# Altium PCB PCB-Relay-Board-V1.PcbDoc (part 4 of 5) (continued)
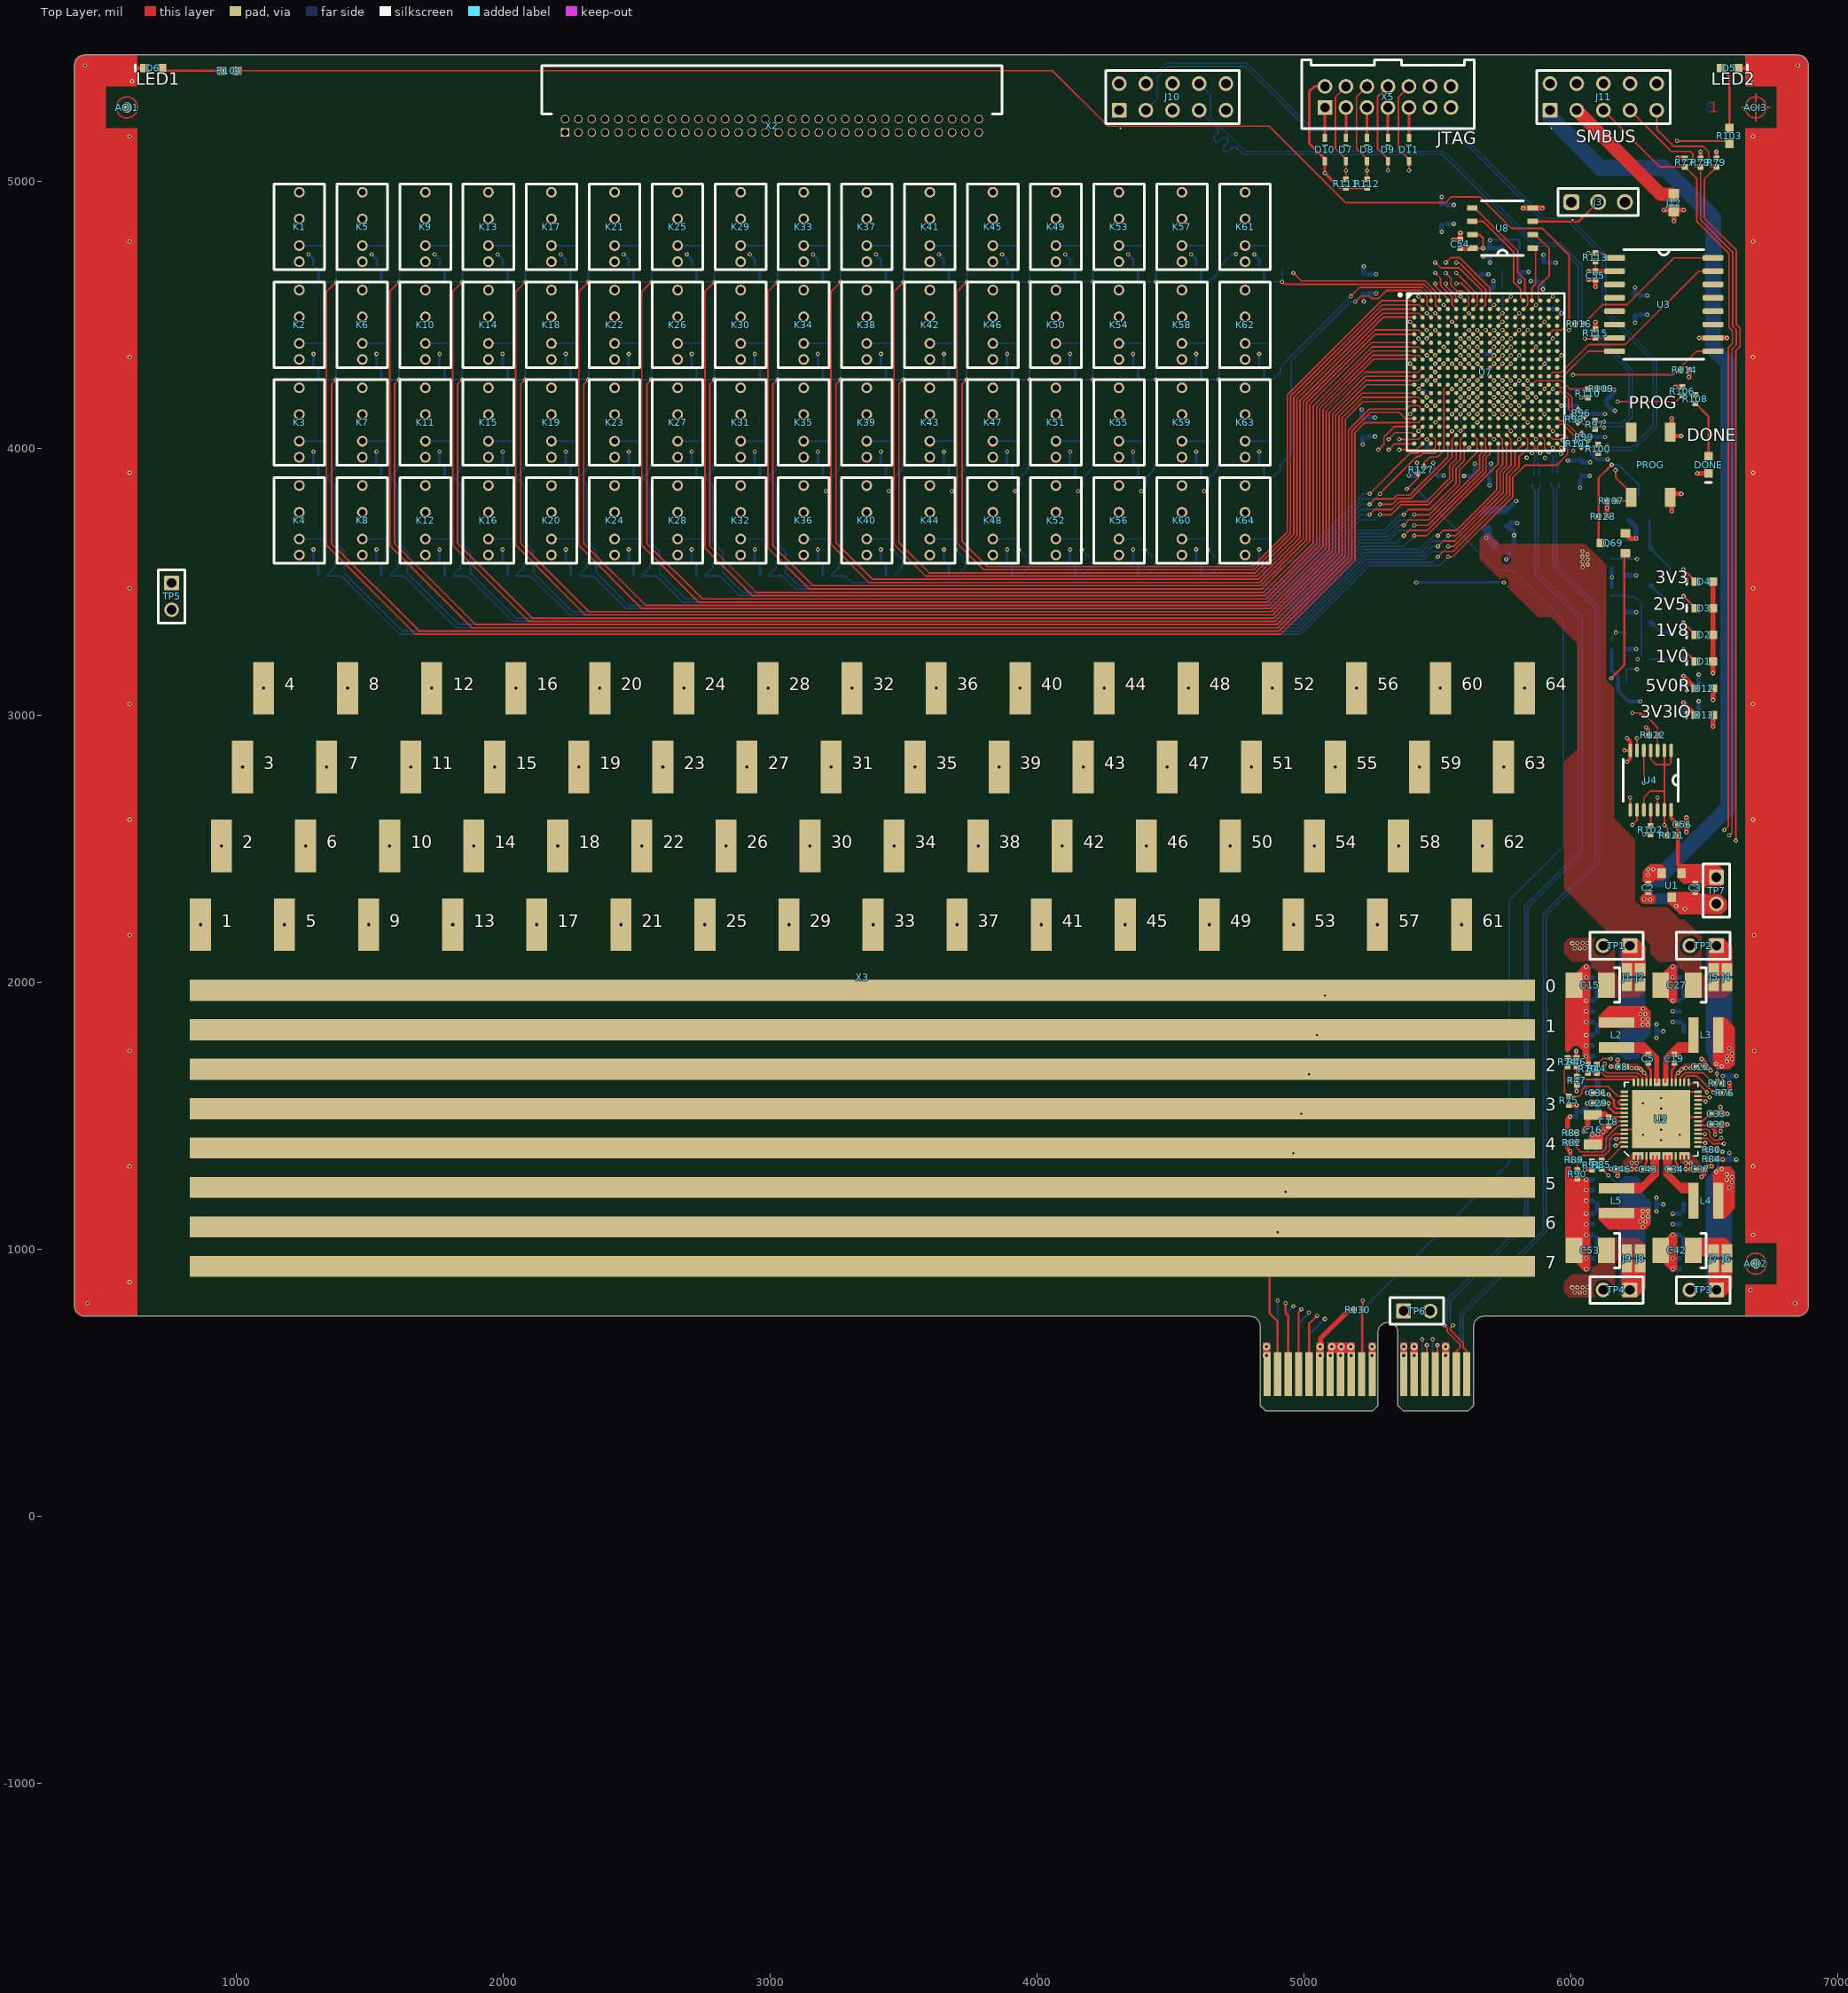
[diagram p0: Top Layer view]
## Nets (pads, with @x,y where several pads share a name; then routed paths per layer and width w, separated by ;. In a path a pad name is that pad's centre, name@x,y a point inside that pad or via, vN(x,y) a via of type N, cw(c..) or ccw(c..) an arc to the next point about the centre after c; other vN are vias at no path point) (continued)
NetK24_4: K24.4 X2.24 | length 1562.1
  Inner5 w5: X2.24@2782.06,5231.8 2807.06,5206.8 2807.06,5157.29
  Inner5 w6: K24.4@2417.39,3859.21 2509.86,3951.69 2509.86,4868.18 2637.43,4995.76 2667.76,4995.76 2807.06,5135.06 2807.06,5157.29
NetK25_2: K25.2 Q25.3 | length 101
  Bottom Layer w6: K25.2@2653.61,4757.87 Q25.3@2754.57,4757.87
NetK25_3: K25.3 X3.25 | length 2761
  Inner2 w6: K25.3@2653.61,4857.87 2588.77,4793.04 2588.77,4236.12 2562.69,4210.04 2562.69,3461.94 2755.91,3268.73 v2(2755.91,2214.57)
NetK25_4: K25.4 X2.25 | length 297.8
  Inner4 w6: K25.4@2653.61,4957.87 2832.06,5136.33 X2.25@2832.06,5181.8
NetK26_2: K26.2 Q26.3 | length 101
  Bottom Layer w6: K26.2@2653.61,4391.65 Q26.3@2754.57,4391.65
NetK26_3: K26.3 X3.26 | length 2118.9
  Inner2 w6: K26.3@2653.61,4491.65 2604.77,4442.82 2604.77,4229.49 2578.69,4203.41 2578.69,3468.57 2834.65,3212.62 v2(2834.65,2509.84)
NetK26_4: K26.4 X2.26 | length 734.8
  Inner5 w5: X2.26@2832.06,5231.8 2857.06,5206.8 2857.06,5136.78
  Inner5 w6: K26.4@2653.61,4591.65 2714.08,4652.13 2714.08,4993.79 2857.06,5136.78
NetK27_2: K27.2 Q27.3 | length 101
  Bottom Layer w6: K27.2@2653.61,4025.43 Q27.3@2754.57,4025.43
NetK27_3: K27.3 X3.27 | length 1476.7
  Inner2 w6: K27.3@2653.61,4125.43 2594.69,4066.52 2594.69,3475.2 2913.39,3156.51 v2(2913.39,2805.12)
NetK27_4: K27.4 X2.27 | length 1051
  Inner4 w6: K27.4@2653.61,4225.43 2730.08,4301.91 2730.08,4984.35 2882.06,5136.33 X2.27@2882.06,5181.8
NetK28_2: K28.2 Q28.3 | length 101
  Bottom Layer w6: K28.2@2653.61,3659.21 Q28.3@2754.57,3659.21
NetK28_3: K28.3 X3.28 | length 834.6
  Inner2 w6: K28.3@2653.61,3759.21 2610.69,3716.3 2610.69,3481.83 v2(2992.13,3100.39)
NetK28_4: K28.4 X2.28 | length 1487.9
  Inner5 w5: X2.28@2882.06,5231.8 2907.06,5206.8 2907.06,5136.78
  Inner5 w6: K28.4@2653.61,3859.21 2746.08,3951.69 2746.08,4975.79 2907.06,5136.78
NetK29_2: K29.2 Q29.3 | length 101
  Bottom Layer w6: K29.2@2889.83,4757.87 Q29.3@2990.8,4757.87
NetK29_3: K29.3 X3.29 | length 2793.6
  Inner2 w6: K29.3@2889.83,4857.87 2824.99,4793.04 2824.99,4236.12 2798.91,4210.04 2798.91,3540.68 3070.87,3268.73 v2(3070.87,2214.57)
NetK29_4: K29.4 X2.29 | length 241.4
  Inner4 w6: K29.4@2889.83,4957.87 2932.06,5000.11 X2.29@2932.06,5181.8
NetK30_2: K30.2 Q30.3 | length 101
  Bottom Layer w6: K30.2@2889.83,4391.65 Q30.3@2990.8,4391.65
NetK30_3: K30.3 X3.30 | length 2151.5
  Inner2 w6: K30.3@2889.83,4491.65 2840.99,4442.82 2840.99,4229.49 2814.91,4203.41 2814.91,3547.31 3149.61,3212.62 v2(3149.61,2509.84)
NetK30_4: K30.4 X2.30 | length 678.4
  Inner5 w5: X2.30@2932.06,5231.8 2957.06,5206.8 2957.06,5157.29
  Inner5 w6: K30.4@2889.83,4591.65 2950.3,4652.13 2950.3,5150.53 2957.06,5157.29
NetK31_2: K31.2 Q31.3 | length 101
  Bottom Layer w6: K31.2@2889.83,4025.43 Q31.3@2990.8,4025.43
NetK31_3: K31.3 X3.31 | length 1509.3
  Inner2 w6: K31.3@2889.83,4125.43 2830.91,4066.52 2830.91,3553.94 3228.35,3156.51 v2(3228.35,2805.12)
NetK31_4: K31.4 X2.31 | length 994.6
  Inner4 w6: K31.4@2889.83,4225.43 2966.3,4301.91 2966.3,5141.08 2982.06,5156.84 X2.31@2982.06,5181.8
NetK32_2: K32.2 Q32.3 | length 101
  Bottom Layer w6: K32.2@2889.83,3659.21 Q32.3@2990.8,3659.21
NetK32_3: K32.3 X3.32 | length 867.2
  Inner2 w6: K32.3@2889.83,3759.21 2846.91,3716.3 2846.91,3560.57 v2(3307.09,3100.39)
NetK32_4: K32.4 X2.32 | length 1516.4
  Inner5 w5: 3007.06,5206.8 3007.06,5157.29 3007.06,5206.8 ; 3007.06,5206.8 X2.32@2982.06,5231.8 3007.06,5206.8
  Inner5 w6: K32.4@2889.83,3859.21 2982.3,3951.69 2982.3,5132.53 3007.06,5157.29
NetK33_2: K33.2 Q33.3 | length 101
  Bottom Layer w6: K33.2@3126.05,4757.87 Q33.3@3227.02,4757.87
NetK33_3: K33.3 X3.33 | length 2826.2
  Inner2 w6: K33.3@3126.05,4857.87 3061.21,4793.04 3061.21,4236.12 3035.13,4210.04 3035.13,3540.68 3385.83,3189.99 v2(3385.83,2214.57)
NetK33_4: K33.4 X2.33 | length 262.9
  Inner4 w6: X2.33@3032.06,5181.8 3032.06,5156.84 3126.05,5062.86 K33.4@3126.05,4957.87
NetK34_2: K34.2 Q34.3 | length 101
  Bottom Layer w6: K34.2@3126.05,4391.65 Q34.3@3227.02,4391.65
NetK34_3: K34.3 X3.34 | length 2184.1
  Inner2 w6: K34.3@3126.05,4491.65 3077.21,4442.82 3077.21,4229.49 3051.13,4203.41 3051.13,3547.31 3464.57,3133.88 v2(3464.57,2509.84)
NetK34_4: K34.4 X2.34 | length 764.5
  Inner5 w5: 3057.06,5157.29 3057.06,5206.8 ; 3057.06,5206.8 X2.34@3032.06,5231.8 3057.06,5206.8
  Inner5 w6: 3057.06,5157.29 3186.52,5027.83 3186.52,4652.13 K34.4@3126.05,4591.65
NetK35_2: K35.2 Q35.3 | length 101
  Bottom Layer w6: K35.2@3126.05,4025.43 Q35.3@3227.02,4025.43
NetK35_3: K35.3 X3.35 | length 1542
  Inner2 w6: K35.3@3126.05,4125.43 3067.13,4066.52 3067.13,3553.94 3543.31,3077.77 v2(3543.31,2805.12)
NetK35_4: K35.4 X2.35 | length 1037.9
  Inner4 w6: X2.35@3082.06,5181.8 3082.06,5156.84 3202.52,5036.39 3202.52,4301.91 K35.4@3126.05,4225.43
NetK36_2: K36.2 Q36.3 | length 101
  Bottom Layer w6: K36.2@3126.05,3659.21 Q36.3@3227.02,3659.21
NetK36_3: K36.3 X3.36 | length 945.9
  Inner2 w6: K36.3@3126.05,3759.21 3083.13,3716.3 3083.13,3560.57 3543.31,3100.39 v2(3622.05,3100.39)
NetK36_4: K36.4 X2.36 | length 1502.8
  Inner5 w5: 3107.06,5157.29 3107.06,5206.8 ; 3107.06,5206.8 X2.36@3082.06,5231.8 3107.06,5206.8
  Inner5 w6: 3107.06,5157.29 3218.52,5045.83 3218.52,3951.69 K36.4@3126.05,3859.21
NetK37_2: K37.2 Q37.3 | length 101
  Bottom Layer w6: K37.2@3362.27,4757.87 Q37.3@3463.24,4757.87
NetK37_3: K37.3 X3.37 | length 2858.8
  Inner2 w6: K37.3@3362.27,4857.87 3297.44,4793.04 3297.44,4236.12 3271.35,4210.04 3271.35,3553.47 3638.79,3186.03 3700.79,3124.04 v2(3700.79,2214.57)
NetK37_4: K37.4 X2.37 | length 337.6
  Inner4 w6: X2.37@3132.06,5181.8 3132.06,5156.84 3331.03,4957.87 K37.4@3362.27,4957.87
NetK38_2: K38.2 Q38.3 | length 101
  Bottom Layer w6: K38.2@3362.27,4391.65 Q38.3@3463.24,4391.65
NetK38_3: K38.3 X3.38 | length 2216.7
  Inner2 w6: K38.3@3362.27,4491.65 3313.44,4442.82 3313.44,4229.49 3287.35,4203.41 3287.35,3560.1 3650.1,3197.35 3779.53,3067.92 v2(3779.53,2509.84)
NetK38_4: K38.4 X2.38 | length 821.7
  Inner5 w5: X2.38@3132.06,5231.8 3157.06,5206.8 3157.06,5157.29
  Inner5 w6: 3157.06,5157.29 3322.65,4991.7 3384.28,4991.7 3422.74,4953.24 3422.74,4652.13 K38.4@3362.27,4591.65
NetK39_2: K39.2 Q39.3 | length 101
  Bottom Layer w6: K39.2@3362.27,4025.43 Q39.3@3463.24,4025.43
NetK39_3: K39.3 X3.39 | length 1574.6
  Inner2 w6: K39.3@3362.27,4125.43 3303.35,4066.52 3303.35,3566.72 3661.42,3208.66 3858.27,3011.81 v2(3858.27,2805.12)
NetK39_4: K39.4 X2.39 | length 1129.3
  Inner4 w6: X2.39@3182.06,5181.8 3182.06,5156.84 3331.2,5007.7 3390.91,5007.7 3438.74,4959.87 3438.74,4301.91 K39.4@3362.27,4225.43
NetK40_2: K40.2 Q40.3 | length 101
  Bottom Layer w6: K40.2@3362.27,3659.21 Q40.3@3463.24,3659.21
NetK40_3: K40.3 X3.40 | length 1017.2
  Inner2 w6: K40.3@3362.27,3759.21 3319.35,3716.3 3319.35,3573.35 3792.31,3100.39 v2(3937.01,3100.39)
NetK40_4: K40.4 X2.40 | length 1557.2
  Inner5 w5: X2.40@3182.06,5231.8 3207.06,5206.8 3207.06,5157.29
  Inner5 w6: 3207.06,5157.29 3340.65,5023.7 3397.53,5023.7 3454.74,4966.5 3454.74,3951.69 K40.4@3362.27,3859.21
NetK41_2: K41.2 Q41.3 | length 101
  Bottom Layer w6: K41.2@3598.49,4757.87 Q41.3@3699.46,4757.87
NetK41_3: K41.3 X3.41 | length 2916.7
  Inner2 w6: K41.3@3598.49,4857.87 3533.66,4793.04 3533.66,4236.12 3507.58,4210.04 3507.58,3553.47 3897.91,3163.13 3940.95,3163.13 4015.75,3088.34 v2(4015.75,2214.57)
NetK41_4: K41.4 X2.41 | length 473.8
  Inner4 w6: X2.41@3232.06,5181.8 3232.06,5156.84 3348.7,5040.21 3404.67,5040.21 3487.01,4957.87 K41.4@3598.49,4957.87
NetK42_2: K42.2 Q42.3 | length 101
  Bottom Layer w6: K42.2@3598.49,4391.65 Q42.3@3699.46,4391.65
NetK42_3: K42.3 X3.42 | length 2274.5
  Inner2 w6: K42.3@3598.49,4491.65 3549.66,4442.82 3549.66,4229.49 3523.58,4203.41 3523.58,3560.1 3904.54,3179.13 3947.58,3179.13 4094.49,3032.22 v2(4094.49,2509.84)
NetK42_4: K42.4 X2.42 | length 958.5
  Inner5 w5: X2.42@3232.06,5231.8 3257.06,5206.8 3257.06,5157.29
  Inner5 w6: 3257.06,5157.29 3358.48,5055.88 3412.13,5055.88 3475.9,4992.11 3621.15,4992.11 3658.96,4954.3 3658.96,4652.13 K42.4@3598.49,4591.65
NetK43_2: K43.2 Q43.3 | length 101
  Bottom Layer w6: K43.2@3598.49,4025.43 Q43.3@3699.46,4025.43
NetK43_3: K43.3 X3.43 | length 1632.4
  Inner2 w6: K43.3@3598.49,4125.43 3539.58,4066.52 3539.58,3566.72 3911.17,3195.13 3954.2,3195.13 4173.23,2976.11 v2(4173.23,2805.12)
NetK43_4: K43.4 X2.43 | length 1266.2
  Inner4 w6: X2.43@3282.06,5181.8 3282.06,5156.84 3367.03,5071.88 3418.75,5071.88 3482.53,5008.11 3627.78,5008.11 3674.96,4960.93 3674.96,4301.91 K43.4@3598.49,4225.43
NetK44_2: K44.2 Q44.3 | length 101
  Bottom Layer w6: K44.2@3598.49,3659.21 Q44.3@3699.46,3659.21
NetK44_3: K44.3 X3.44 | length 1095.9
  Inner2 w6: K44.3@3598.49,3759.21 3555.58,3716.3 3555.58,3573.35 3917.79,3211.13 3960.83,3211.13 4071.57,3100.39 v2(4251.97,3100.39)
NetK44_4: K44.4 X2.44 | length 1694
  Inner5 w5: X2.44@3282.06,5231.8 3307.06,5206.8 3307.06,5157.29
  Inner5 w6: 3307.06,5157.29 3376.48,5087.88 3425.38,5087.88 3489.15,5024.11 3634.41,5024.11 3690.96,4967.55 3690.96,3951.69 K44.4@3598.49,3859.21
NetK45_2: K45.2 Q45.3 | length 101
  Bottom Layer w6: K45.2@3834.71,4757.87 Q45.3@3935.68,4757.87
NetK45_3: K45.3 X3.45 | length 2994.9
  Inner2 w6: K45.3@3834.71,4857.87 3769.88,4793.04 3769.88,4236.12 3743.8,4210.04 3743.8,3553.47 4133.11,3164.16 4254.04,3164.16 4330.71,3087.48 v2(4330.71,2214.57)
NetK45_4: K45.4 X2.45 | length 610
  Inner4 w6: X2.45@3332.06,5181.8 3332.06,5156.84 3384.81,5104.09 3432.41,5104.09 3495.85,5040.65 3641.15,5040.65 3723.93,4957.87 K45.4@3834.71,4957.87
NetK46_2: K46.2 Q46.3 | length 101
  Bottom Layer w6: K46.2@3834.71,4391.65 Q46.3@3935.68,4391.65
NetK46_3: K46.3 X3.46 | length 2352.8
  Inner2 w6: K46.3@3834.71,4491.65 3785.88,4442.82 3785.88,4229.49 3759.8,4203.41 3759.8,3560.1 4139.74,3180.16 4260.66,3180.16 4409.45,3031.37 v2(4409.45,2509.84)
NetK46_4: K46.4 X2.46 | length 1096.6
  Inner5 w5: X2.46@3332.06,5231.8 3357.06,5206.8 3357.06,5157.29
  Inner5 w6: 3357.06,5157.29 3393.99,5120.36 3439.15,5120.36 3502.32,5057.19 3648,5057.19 3709.06,4996.13 3856.45,4996.13 3895.18,4957.4 3895.18,4652.13 K46.4@3834.71,4591.65
NetK47_2: K47.2 Q47.3 | length 101
  Bottom Layer w6: K47.2@3834.71,4025.43 Q47.3@3935.68,4025.43
NetK47_3: K47.3 X3.47 | length 1710.6
  Inner2 w6: K47.3@3834.71,4125.43 3775.8,4066.52 3775.8,3566.72 4146.36,3196.16 4267.29,3196.16 4488.19,2975.26 v2(4488.19,2805.12)
NetK47_4: K47.4 X2.47 | length 1404.2
  Inner4 w6: X2.47@3382.06,5181.8 3382.06,5156.84 3402.22,5136.68 3445.91,5136.68 3509.4,5073.19 3654.63,5073.19 3715.69,5012.13 3863.08,5012.13 3911.18,4964.03 3911.18,4301.91 K47.4@3834.71,4225.43
NetK48_2: K48.2 Q48.3 | length 101
  Bottom Layer w6: K48.2@3834.71,3659.21 Q48.3@3935.68,3659.21
NetK48_3: K48.3 X3.48 | length 1174.7
  Inner2 w6: K48.3@3834.71,3759.21 3791.8,3716.3 3791.8,3573.35 4152.99,3212.16 4273.92,3212.16 4385.68,3100.39 v2(4566.93,3100.39)
NetK48_4: K48.4 X2.48 | length 1832
  Inner5 w5: X2.48@3382.06,5231.8 3407.06,5206.8 3407.06,5157.29
  Inner5 w6: 3407.06,5157.29 3411.63,5152.72 3452.56,5152.72 3516.09,5089.19 3661.26,5089.19 3722.32,5028.13 3869.7,5028.13 3927.18,4970.65 3927.18,3951.69 K48.4@3834.71,3859.21
NetK49_2: K49.2 Q49.3 | length 101
  Bottom Layer w6: K49.2@4070.93,4757.87 Q49.3@4171.9,4757.87
NetK49_3: K49.3 X3.49 | length 3075.3
  Inner2 w6: K49.3@4070.93,4857.87 4006.1,4793.04 4006.1,4236.12 3980.02,4210.04 3980.02,3553.47 4369.33,3164.16 4571.88,3164.16 4645.67,3090.37 v2(4645.67,2214.57)
NetK49_4: K49.4 X2.49 | length 745.7
  Inner2 w6: X2.49@3432.06,5181.8 3432.06,5157.84 3585.67,5004.24 4024.56,5004.24 K49.4@4070.93,4957.87
NetK50_2: K50.2 Q50.3 | length 101
  Bottom Layer w6: K50.2@4070.93,4391.65 Q50.3@4171.9,4391.65
NetK50_3: K50.3 X3.50 | length 2433.2
  Inner2 w6: K50.3@4070.93,4491.65 4022.1,4442.82 4022.1,4229.49 3996.02,4203.41 3996.02,3560.1 4375.96,3180.16 4578.51,3180.16 4724.41,3034.25 v2(4724.41,2509.84)
NetK50_4: K50.4 X2.50 | length 1229.7
  Inner3 w5: X2.50@3432.06,5231.8 3457.06,5206.8 3457.06,5157.29
  Inner3 w6: 3457.06,5157.29 3593.42,5020.93 4062.58,5020.93 4131.4,4952.11 4131.4,4652.13 K50.4@4070.93,4591.65
NetK51_2: K51.2 Q51.3 | length 101
  Bottom Layer w6: K51.2@4070.93,4025.43 Q51.3@4171.9,4025.43
NetK51_3: K51.3 X3.51 | length 1791.1
  Inner2 w6: K51.3@4070.93,4125.43 4012.02,4066.52 4012.02,3566.72 4382.58,3196.16 4585.13,3196.16 4803.15,2978.14 v2(4803.15,2805.12)
NetK51_4: K51.4 X2.51 | length 1537.3
  Inner4 w6: X2.51@3482.06,5181.8 3482.06,5156.84 3533.41,5105.49 3667.9,5105.49 3727.77,5045.63 4060.51,5045.63 4147.4,4958.73 4147.4,4301.91 K51.4@4070.93,4225.43
NetK52_2: K52.2 Q52.3 | length 101
  Bottom Layer w6: K52.2@4070.93,3659.21 Q52.3@4171.9,3659.21
NetK52_3: K52.3 X3.52 | length 1253.4
  Inner2 w6: K52.3@4070.93,3759.21 4028.02,3716.3 4028.02,3573.35 4389.21,3212.16 4591.76,3212.16 4703.52,3100.39 v2(4881.89,3100.39)
NetK52_4: K52.4 X2.52 | length 1965.2
  Inner5 w5: X2.52@3482.06,5231.8 3507.06,5206.8 3507.06,5157.29
  Inner5 w6: 3507.06,5157.29 3542.07,5122.28 3675.04,5122.28 3734.91,5062.42 4066.35,5062.42 4163.4,4965.36 4163.4,3951.69 K52.4@4070.93,3859.21
NetK53_2: K53.2 Q53.3 | length 101
  Bottom Layer w6: K53.2@4307.15,4757.87 Q53.3@4408.12,4757.87
NetK53_3: K53.3 X3.53 | length 3158.2
  Inner2 w6: K53.3@4307.15,4857.87 4242.32,4793.04 4242.32,4236.12 4216.24,4210.04 4216.24,3553.47 4527.83,3241.87 4816.21,3241.87 4960.63,3097.45 v2(4960.63,2214.57)
NetK53_4: K53.4 X2.53 | length 882.3
  Inner4 w6: X2.53@3532.06,5181.8 3532.06,5157.13 3548.83,5140.37 3680.38,5140.37 3742.06,5078.69 4186.33,5078.69 K53.4@4307.15,4957.87
NetK54_2: K54.2 Q54.3 | length 101
  Bottom Layer w6: K54.2@4307.15,4391.65 Q54.3@4408.12,4391.65
NetK54_3: K54.3 X3.54 | length 2516.1
  Inner2 w6: K54.3@4307.15,4491.65 4258.32,4442.82 4258.32,4229.49 4232.24,4203.41 4232.24,3560.1 4534.46,3257.87 4822.83,3257.87 5039.37,3041.34 v2(5039.37,2509.84)
NetK54_4: K54.4 X2.54 | length 1369
  Inner2 w5: X2.54@3532.06,5231.8 3557.06,5206.8 3557.06,5157.29
  Inner2 w6: 3557.06,5157.29 3660.75,5053.6 4271.46,5053.6 4367.62,4957.44 4367.62,4652.13 K54.4@4307.15,4591.65
NetK55_2: K55.2 Q55.3 | length 101
  Bottom Layer w6: K55.2@4307.15,4025.43 Q55.3@4408.12,4025.43
NetK55_3: K55.3 X3.55 | length 1874
  Inner2 w6: K55.3@4307.15,4125.43 4248.24,4066.52 4248.24,3566.72 4541.09,3273.87 4829.46,3273.87 5118.11,2985.23 v2(5118.11,2805.12)
NetK55_4: K55.4 X2.55 | length 1677.5
  Inner3 w6: X2.55@3582.06,5181.8 3582.06,5157.34 3668.84,5070.56 4279.05,5070.56 4383.62,4965.99 4383.62,4301.91 K55.4@4307.15,4225.43
NetK56_2: K56.2 Q56.3 | length 101
  Bottom Layer w6: K56.2@4307.15,3659.21 Q56.3@4408.12,3659.21
NetK56_3: K56.3 X3.56 | length 1332.2
  Inner2 w6: K56.3@4307.15,3759.21 4264.24,3716.3 4264.24,3573.35 4547.71,3289.87 4836.09,3289.87 5025.57,3100.39 v2(5196.85,3100.39)
NetK56_4: K56.4 X2.56 | length 2107.3
  Inner2 w5: X2.56@3582.06,5231.8 3607.06,5206.8 3607.06,5157.29
  Inner2 w6: 3607.06,5157.29 3677.45,5086.9 4288.16,5086.9 4399.62,4975.44 4399.62,3951.69 K56.4@4307.15,3859.21
NetK57_2: K57.2 Q57.3 | length 101
  Bottom Layer w6: K57.2@4543.37,4757.87 Q57.3@4644.34,4757.87
NetK57_3: K57.3 X3.57 | length 3237
  Inner2 w6: K57.3@4543.37,4857.87 4478.54,4793.04 4478.54,4236.12 4452.46,4210.04 4452.46,3553.47 4681.63,3324.3 5048.74,3324.3 5275.59,3097.45 v2(5275.59,2214.57)
NetK57_4: K57.4 X2.57 | length 1018.1
  Inner3 w6: X2.57@3632.06,5181.8 3632.06,5157.84 3686.6,5103.3 4397.94,5103.3 K57.4@4543.37,4957.87
NetK58_2: K58.2 Q58.3 | length 101
  Bottom Layer w6: K58.2@4543.37,4391.65 Q58.3@4644.34,4391.65
NetK58_3: K58.3 X3.58 | length 2594.8
  Inner2 w6: K58.3@4543.37,4491.65 4494.54,4442.82 4494.54,4229.49 4468.46,4203.41 4468.46,3560.1 4688.25,3340.3 5055.37,3340.3 5354.33,3041.34 v2(5354.33,2509.84)
NetK58_4: K58.4 X2.58 | length 1499.4
  Inner2 w5: X2.58@3632.06,5231.8 3657.06,5206.8 3657.06,5157.29
  Inner2 w6: 3657.06,5157.29 3695.01,5119.34 4431.86,5119.34 4603.84,4947.37 4603.84,4652.13 K58.4@4543.37,4591.65
NetK59_2: K59.2 Q59.3 | length 101
  Bottom Layer w6: K59.2@4543.37,4025.43 Q59.3@4644.34,4025.43
NetK59_3: K59.3 X3.59 | length 1952.7
  Inner2 w6: K59.3@4543.37,4125.43 4484.46,4066.52 4484.46,3566.72 4694.88,3356.3 5062,3356.3 5433.07,2985.23 v2(5433.07,2805.12)
NetK59_4: K59.4 X2.59 | length 1807.5
  Inner3 w6: X2.59@3682.06,5181.8 3682.06,5157.84 3703.73,5136.18 4439.58,5136.18 4619.84,4955.92 4619.84,4301.91 K59.4@4543.37,4225.43
NetK60_2: K60.2 Q60.3 | length 101
  Bottom Layer w6: K60.2@4543.37,3659.21 Q60.3@4644.34,3659.21
NetK60_3: K60.3 X3.60 | length 1410.9
  Inner2 w6: K60.3@4543.37,3759.21 4500.46,3716.3 4500.46,3573.35 4701.51,3372.3 5068.62,3372.3 5340.53,3100.39 v2(5511.81,3100.39)
NetK60_4: K60.4 X2.60 | length 2237.6
  Inner5 w5: X2.60@3682.06,5231.8 3707.06,5206.8 3707.06,5157.29
  Inner5 w6: 3707.06,5157.29 3769.12,5095.24 4505.97,5095.24 4635.84,4965.37 4635.84,3951.69 K60.4@4543.37,3859.21
NetK61_2: K61.2 Q61.3 | length 101
  Bottom Layer w6: K61.2@4779.59,4757.87 Q61.3@4880.56,4757.87
NetK61_3: K61.3 X3.61 | length 3315.7
  Inner2 w6: K61.3@4779.59,4857.87 4714.76,4793.04 4714.76,4236.12 4688.68,4210.04 4688.68,3553.47 4842.35,3399.8 5288.21,3399.8 5590.55,3097.45 v2(5590.55,2214.57)
NetK61_4: K61.4 X2.61 | length 1154.7
  Inner4 w6: X2.61@3732.06,5181.8 3732.06,5157.13 3777.7,5111.49 4625.97,5111.49 K61.4@4779.59,4957.87
NetK62_2: K62.2 Q62.3 | length 101
  Bottom Layer w6: K62.2@4779.59,4391.65 Q62.3@4880.56,4391.65
NetK62_3: K62.3 X3.62 | length 2673.6
  Inner2 w6: K62.3@4779.59,4491.65 4730.76,4442.82 4730.76,4229.49 4704.68,4203.41 4704.68,3560.1 4848.98,3415.8 5294.83,3415.8 5669.29,3041.34 v2(5669.29,2509.84)
NetK62_4: K62.4 X2.62 | length 1639
  Inner5 w5: X2.62@3732.06,5231.8 3757.06,5206.8 3757.06,5157.29
  Inner5 w6: 3757.06,5157.29 3786.56,5127.8 3865.65,5127.8 4665.51,5127.8 4840.06,4953.24 4840.06,4652.13 K62.4@4779.59,4591.65
NetK63_2: K63.2 Q63.3 | length 101
  Bottom Layer w6: K63.2@4779.59,4025.43 Q63.3@4880.56,4025.43
NetK63_3: K63.3 X3.63 | length 2031.4
  Inner2 w6: K63.3@4779.59,4125.43 4720.68,4066.52 4720.68,3566.72 4855.6,3431.8 5301.46,3431.8 5748.03,2985.23 v2(5748.03,2805.12)
NetK63_4: K63.4 X2.63 | length 1932
  Inner4 w6: X2.63@3782.06,5181.8 3820.07,5143.8 3865.65,5143.8 4672.14,5143.8 4856.06,4959.87 4856.06,4301.91 K63.4@4779.59,4225.43
NetK64_2: K64.2 Q64.3 | length 101
  Bottom Layer w6: K64.2@4779.59,3659.21 Q64.3@4880.56,3659.21
NetK64_3: K64.3 X3.64 | length 1489.6
  Inner2 w6: K64.3@4779.59,3759.21 4736.68,3716.3 4736.68,3573.35 4862.23,3447.8 5308.09,3447.8 5655.49,3100.39 v2(5826.77,3100.39)
NetK64_4: K64.4 X2.64 | length 2345.5
  Inner5 w6: X2.64@3782.06,5231.8 3854.07,5159.8 3865.65,5159.8 4678.77,5159.8 4872.06,4966.5 4872.06,3951.69 K64.4@4779.59,3859.21
NetPROG_1: PROG.1 R107.1 U7.P9 | length 825.8
  Top Layer w6: v1(5649.59,4126.8) U7.P9@5665.34,4142.55 ; R107.1@6167.32,3801.18 6212.6,3801.18 PROG.1@6226.38,3814.96 6226.38,3830.71 6167.79,3889.3 v1(6167.79,3916.92)
  Inner2 w6: v1(5649.59,4126.8) 5683.39,4126.8 5718,4092.19 5812.29,4092.19 5829.66,4074.82 5850.31,4074.82 5859.3,4083.82 5973.27,4083.82 6140.17,3916.92 v1(6167.79,3916.92)
NetQ65_3: Q65.3 R92.1 | length 70.9
  Bottom Layer w8: Q65.3@6299.21,3208.66 R92.1@6370.08,3208.66
NetQ66_3: Q66.3 R93.1 | length 87.2
  Bottom Layer w8: Q66.3@6307.68,3339.96 6337.46,3310.18 R93.1@6366.99,3310.18
  Bottom Layer w18.5: Q66.3@6299.21,3346.46 6305.71,3339.96 Q66.3@6307.68,3339.96 ; R93.1@6366.99,3310.18 R93.1@6370.08,3307.09
NetQ67_3: Q67.3 R94.1 | length 110.4
  Bottom Layer w8: Q67.3@6301.18,3484.25 6357.78,3427.65 6357.78,3415.84 R94.1@6361.61,3412.01
  Bottom Layer w18.5: Q67.3@6299.21,3484.25 Q67.3@6301.18,3484.25 ; R94.1@6361.61,3412.01 6368.11,3405.51 R94.1@6370.08,3405.51
NetQ68_3: Q68.3 Q70.1 R95.1 | length 259.3
  Bottom Layer w8: Q70.1@6293.31,3730.32 6295.75,3727.88 6295.75,3625.51 Q68.3@6299.21,3622.05 ; Q68.3@6301.18,3622.05 6370.08,3553.15 R95.1@6370.08,3503.94
  Bottom Layer w18.5: Q68.3@6299.21,3622.05 Q68.3@6301.18,3622.05
NetR43_1: R43.1 Y1.3 | length 54.8
  Bottom Layer w6: R43.1@5743.77,4604.84 Y1.3@5743.77,4659.59
NetR44_1: R44.1 R70.2 U2.41 | length 212.8
  Top Layer w6: R70.2@6063.53,1659 6064.36,1659.84 R44.1@6096.93,1659.84 6097.53,1660.43 6115.45,1660.43 6128.81,1647.07 6244,1647.07 6250.64,1640.43 6250.64,1625.35 U2.41@6251.86,1624.12
NetR46_1: R46.1 R47.1 U2.42 | length 258.8
  Top Layer w6: R46.1@6021.89,1687.51 6021.89,1646.76 R47.1@6022.14,1646.51 6038.58,1646.51 6050.5,1634.6 U2.42@6234.89,1634.6
NetR71_1: R71.1 R76.2 U2.31 | length 213.9
  Top Layer w6: U2.31@6409.54,1624.11 6409.54,1641.93 6427.54,1659.92 6496.63,1659.92 R71.1@6535.42,1621.14 6541.24,1615.32 6541.24,1604.83 R76.2@6560.98,1585.08
NetR74_1: R74.1 R75.1 U2.44 | length 370.2
  Top Layer w6: R74.1@5987.74,1684.23 5976.11,1672.6 5976.11,1588.03 R75.1@5992.74,1571.39 6030.05,1571.39 6041.04,1582.38 6041.04,1594.03 6056.28,1609.27 6139.3,1609.27 6175.73,1572.83 U2.44@6200.79,1572.83
NetR80_1: R80.1 R84.2 U2.15 | length 73
  Top Layer w6: U2.15@6476.38,1383.86 6477.71,1382.53 6487.4,1382.53 6495.21,1374.71 6504.77,1374.71 6511.18,1368.3 6512.25,1367.23 R84.2@6512.25,1337
NetR82_1: R82.1 R83.1 U2.51 | length 307.8
  Top Layer w6: R83.1@6019.12,1435.03 6019.12,1399 R82.1@6019.38,1398.74 6019.38,1382.05 6037.8,1363.63 6121.42,1363.63 6132.39,1374.6 6132.39,1416.71 6178.28,1462.6 U2.51@6200.79,1462.6
NetR85_1: R85.1 R91.2 U2.56 | length 148.8
  Top Layer w6: R91.2@6078.74,1328.74 6113.69,1328.74 R85.1@6117.62,1332.67 ; R85.1@6116.06,1331.11 6118.18,1328.98 6136.47,1328.98 U2.56@6190.01,1382.52 ; U2.56@6190.01,1382.53 6191.34,1383.86 U2.56@6200.79,1383.86
NetR89_1: R89.1 R90.1 U2.53 | length 277.4
  Top Layer w6: R90.1@6023.62,1295.28 6024.63,1296.29 6024.63,1329 6046.83,1351.19 6127.02,1351.19 6145.51,1369.68 6145.51,1411.96 6164.66,1431.1 U2.53@6200.79,1431.1
NetR102_2: R102.2 U4.11 | length 60
  Top Layer w6: R102.2@6299.21,2584.65 U4.11@6299.21,2644.69
NetR105_1: R105.1 U7.P7 | length 51.5
  Top Layer w6: v1(5586.6,4126.8) U7.P7@5602.35,4142.55
  Bottom Layer w8: v1(5586.6,4126.8) 5586.6,4103.18 R105.1@5590.54,4099.24
NetR106_1: R106.1 R108.1 U7.P10 | length 831.8
  Top Layer w6: U7.P10@5696.84,4142.55 v1(5712.58,4126.8) ; v1(6175.4,4173.86) 6394.33,4173.86 R106.1@6417.32,4196.85
  Top Layer w8: R106.1@6417.32,4196.85 6464.57,4196.85 R108.1@6466.54,4198.82
  Inner2 w6: v1(5712.58,4126.8) 5734.04,4105.35 5817.11,4105.35 5828.53,4116.76 5848.89,4116.76 5858.52,4107.13 5986.11,4107.13 6052.84,4173.86 v1(6175.4,4173.86)
NetR109_1: R109.1 R110.2 U7.L15 | length 263.8
  Top Layer w5: U7.L15@5854.32,4237.04 5870.06,4252.79 5964.55,4252.79
  Top Layer w6: 5964.55,4252.79 5996.05,4221.29
  Top Layer w8: 5996.05,4221.29 6064.45,4221.29 R109.1@6098.5,4221.29
NetR113_1: R113.1 U3.1 U7.M14 | length 849.7
  Top Layer w6: U7.M14@5822.82,4205.54 v1(5838.57,4189.8) ; v1(6065.52,4730.31) R113.1@6092.52,4730.31 6117.27,4730.31 6127.75,4719.83 6156.54,4719.83 U3.1@6163.98,4712.4
  Inner2 w6: v1(5838.57,4189.8) 5896.34,4247.57 6008.82,4247.57 6072.83,4311.58 6072.83,4426.5 6047.31,4452.02 6047.31,4712.1 v1(6065.52,4730.31)
NetR114_1: R114.1 U3.9 U7.L14 | length 793.6
  Top Layer w6: U7.L14@5822.82,4237.04 v1(5838.57,4221.29) ; v1(6007.86,4274.02) 6383.28,4274.02 6395.11,4285.85 6403.59,4285.85 6406,4288.27 6406,4296.75 6414.49,4296.75 6416.9,4299.17 6416.9,4307.65 6471.65,4362.4 U3.9@6541.53,4362.4
  Inner2 w6: v1(5838.57,4221.29) 5878.71,4261.44 5995.27,4261.44 v1(6007.86,4274.02)
NetR115_1: R115.1 U3.7 U7.L13 | length 446.1
  Top Layer w6: U7.L13@5791.32,4237.04 v1(5807.07,4252.79) ; v1(6053.15,4409.45) 6088.58,4409.45 R115.1@6092.52,4413.39 6162.99,4413.39 U3.7@6163.98,4412.4
  Inner2 w6: v1(5807.07,4252.79) 5829.72,4275.44 5919.14,4275.44 v1(6053.15,4409.45)
NetR116_1: R116.1 U7.E9 | length 410.7
  Top Layer w6: v1(5649.59,4441.76) U7.E9@5665.34,4426.02 ; v1(5992.66,4441.36) R116.1@6015.65,4464.35
  Inner2 w5: 5665.34,4426.02 5854.32,4426.02
  Inner2 w6: v1(5649.59,4441.76) 5665.34,4426.02 ; 5854.32,4426.02 5869.66,4441.36 v1(5992.66,4441.36)
NetR116_2: R116.2 U3.16 | length 588.5
  Top Layer w6: R116.2@6047.14,4464.35 6119.89,4537.09 6211.2,4537.09 6386.51,4712.4 U3.16@6532.87,4712.4